# Altium PCB 智能马桶综合检测台V1.0.PcbDoc (part 9 of 10)
Units mil, origin at the board's own origin, x right, y up, seen from the top; angles counter-clockwise.
Board outline 8070.87 x 6102.36 mil, 2 copper layers (Top Layer, Bottom Layer); 199 components, 169 nets, 738 pads, 77 vias.
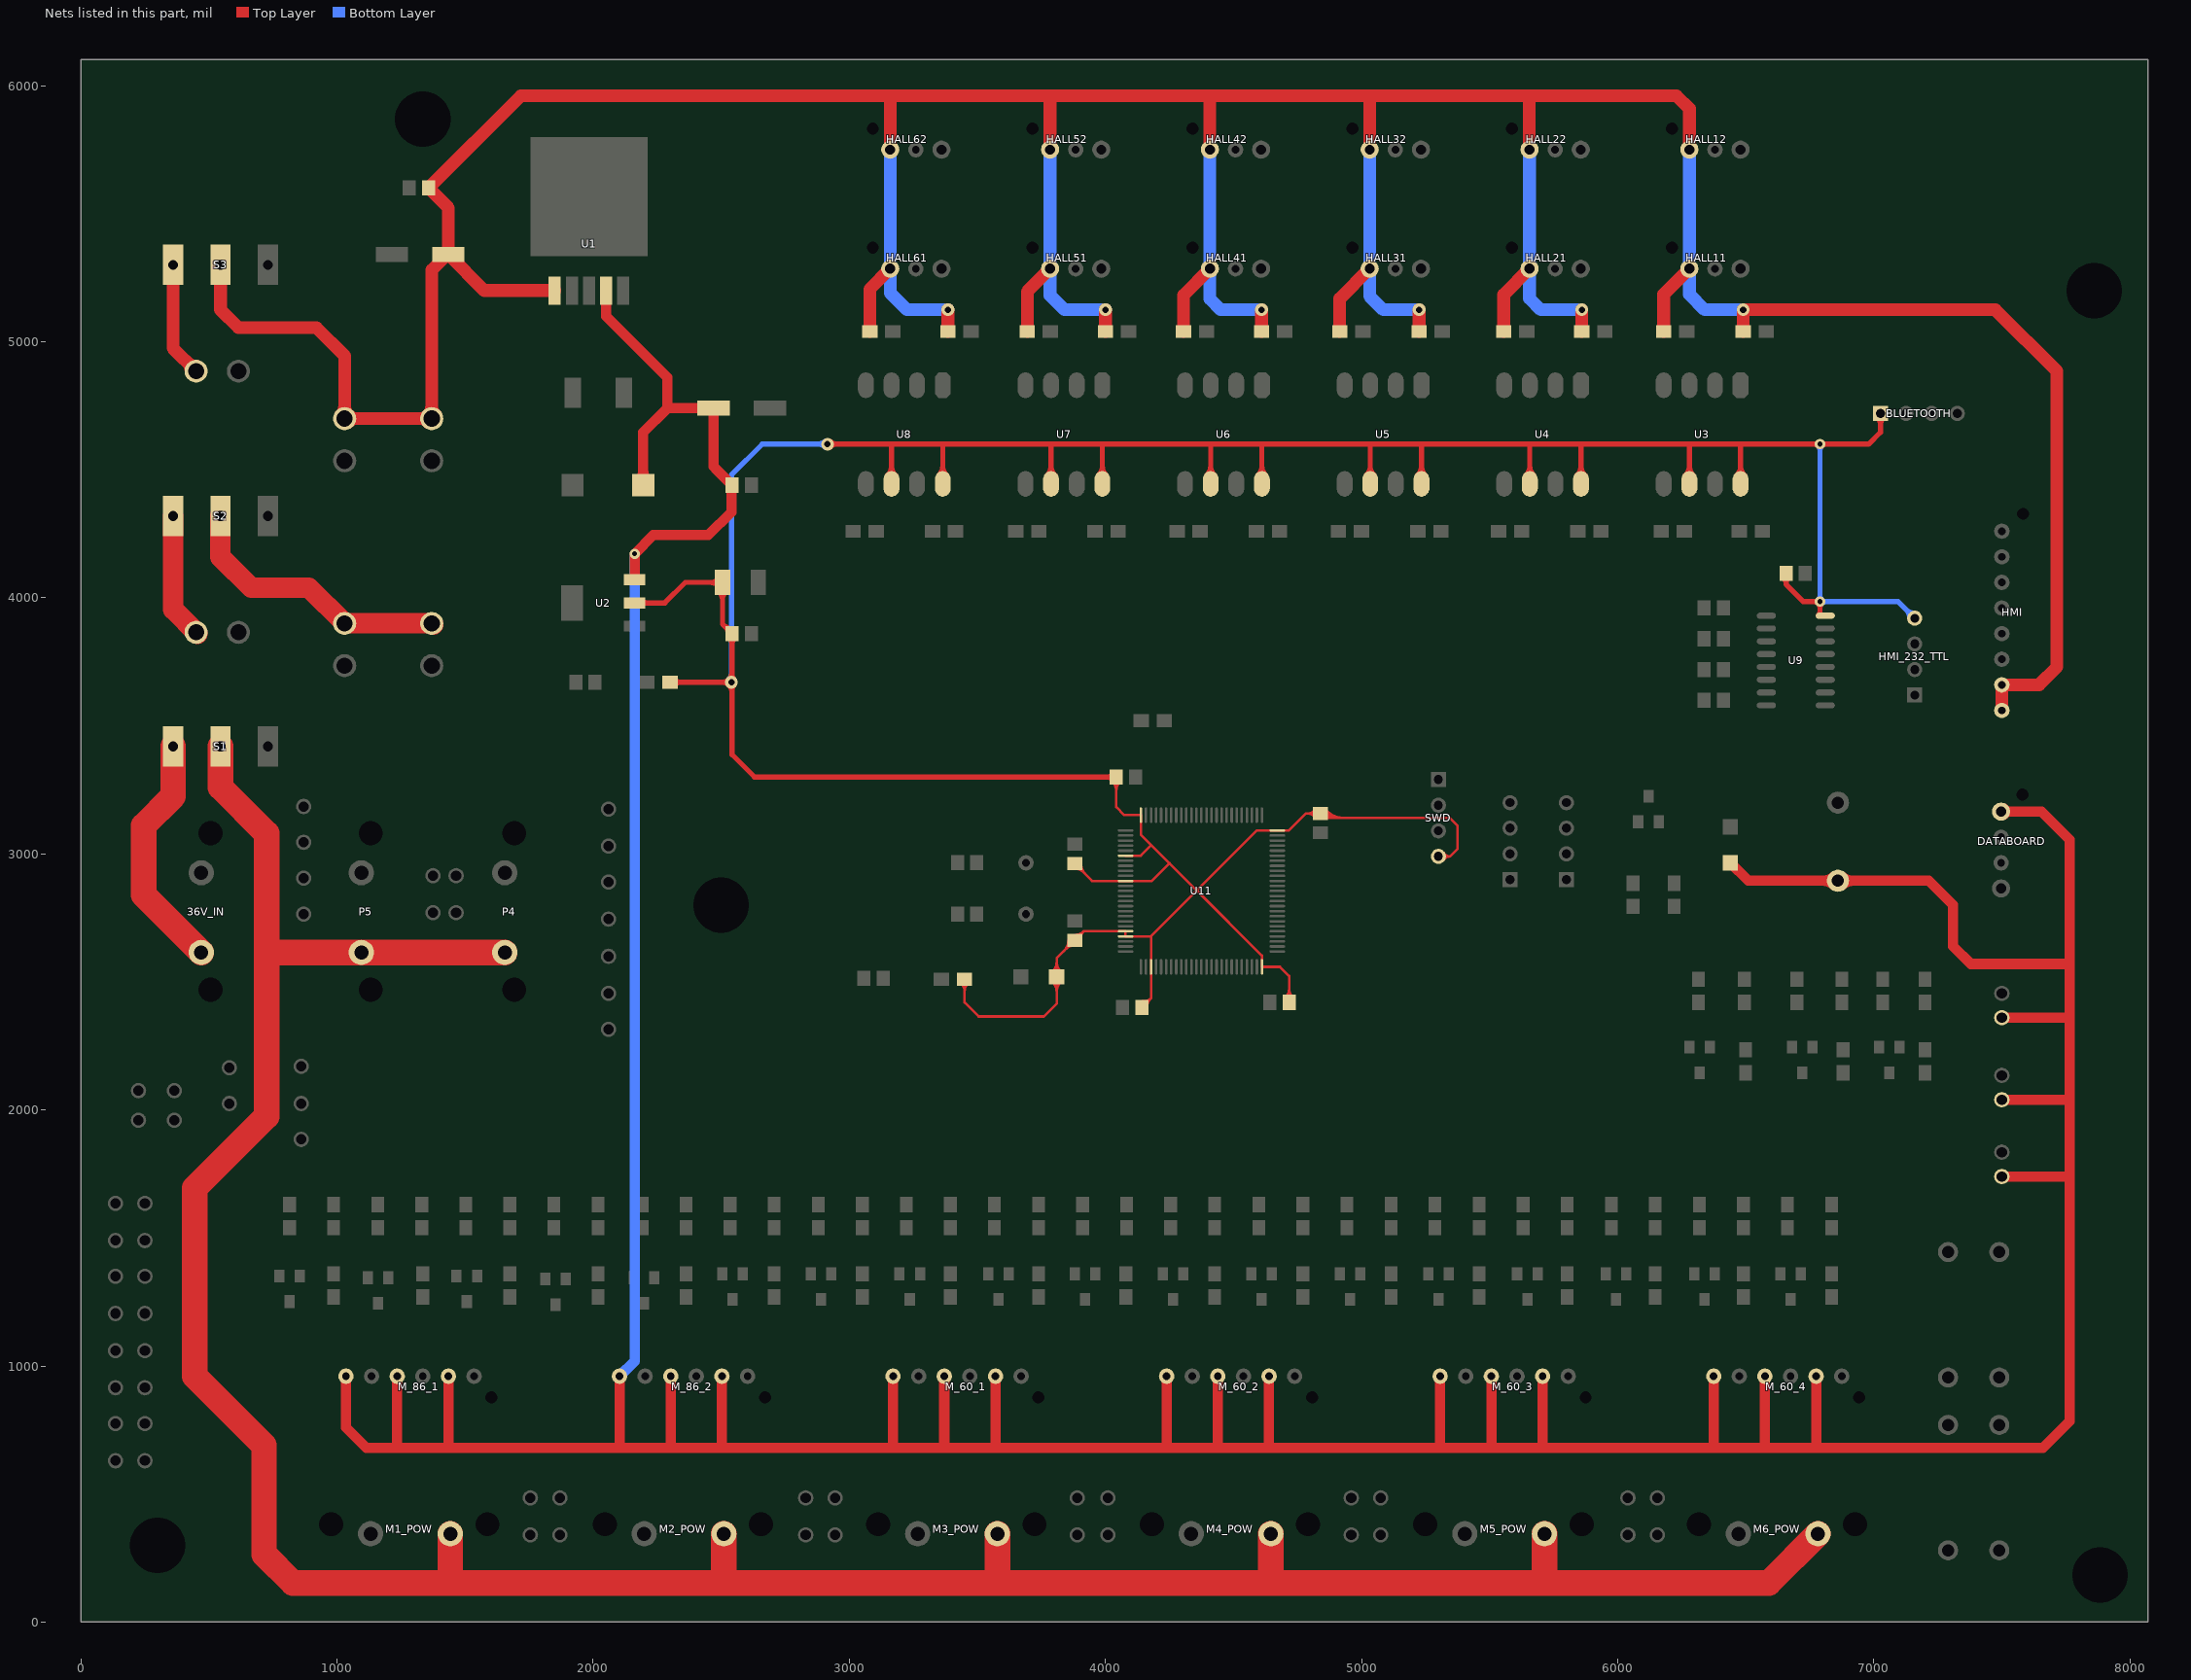
[diagram p9: the nets of this part, all layers, seen from the top]

## Via types
v1: diameter 40, hole 20, Top Layer to Bottom Layer, 68 vias
v2: diameter 50, hole 25, Top Layer to Bottom Layer, 9 vias

## Nets (pads, with @x,y where several pads share a name; then routed paths per layer and width w, separated by ;. In a path a pad name is that pad's centre, name@x,y a point inside that pad or via, vN(x,y) a via of type N, cw(c..) or ccw(c..) an arc to the next point about the centre after c; other vN are vias at no path point) (continued)
VCC3V3: BLUETOOTH.1 C4.1 C5.2 C9.2 C20.2 C21.1 C22.1 C23.1 C24.1 C25.1 C26.1 HMI_232_TTL.4 R1.2 R92.2 SWD.4 U2.2 U3.6 U3.8 U4.6 U4.8 U5.6 U5.8 U6.6 U6.8 U7.6 U7.8 U8.6 U8.8 U9.16 U11.6 U11.11 U11.21 U11.22 U11.28 U11.50 U11.75 U11.100 | length 36230.3
  Top Layer w10: R92.2@3450,2510 3450,2420 3505,2365 3760,2365 3810,2415 3810,2592.6 3914.92,2697.52 ; C26.1@3880,2962.6 3948.23,2894.37 4180.68,2894.37 4250.05,2963.73 ; C24.1@4042.6,3300 4042.6,3182.4 4073.74,3151.26 U11.100@4138.78,3151.26 4138.78,3075 4350.98,2862.8 ; U11.6@4078.74,2992.8 4137.82,2992.8 4179.4,3034.38 ; C25.1@4142.4,2400 4178.15,2435.75 ; 4357.2,2856.57 4611.22,2602.56 U11.50@4611.22,2558.74 4681.26,2558.74 4717.4,2522.6 C22.1@4717.4,2420 ; SWD.4@5300,2990 5345,2990 ; R92.2@3435.86,2495.86 cw(c3401.72,2461.72) 3450,2461.72 ; R92.2@3435.86,2495.86 cw(c3401.72,2461.72) 3450,2461.72 ; R92.2@3435.86,2495.86 cw(c3401.72,2461.72) 3450,2461.72 ; 3450,2461.72 cw(c3498.28,2461.72) R92.2@3464.14,2495.86 ; 3450,2461.72 cw(c3498.28,2461.72) R92.2@3464.14,2495.86 ; 3450,2461.72 cw(c3498.28,2461.72) R92.2@3464.14,2495.86 ; C21.1@3792.32,2502.32 cw(c3749.64,2459.64) 3810,2459.64 ; C21.1@3792.32,2502.32 cw(c3749.64,2459.64) 3810,2459.64 ; C21.1@3792.32,2502.32 cw(c3749.64,2459.64) 3810,2459.64 ; C21.1@3792.32,2502.32 cw(c3749.64,2459.64) 3810,2459.64 ; C21.1@3792.32,2537.68 ccw(c3749.64,2580.36) 3810,2580.36 ; C21.1@3792.32,2537.68 ccw(c3749.64,2580.36) 3810,2580.36 ; C21.1@3792.32,2537.68 ccw(c3749.64,2580.36) 3810,2580.36 ; C21.1@3792.32,2537.68 ccw(c3749.64,2580.36) 3810,2580.36 ; C21.1@3792.32,2537.68 ccw(c3749.64,2580.36) 3810,2580.36 ; C21.1@3792.32,2537.68 ccw(c3749.64,2580.36) 3810,2580.36 ; C21.1@3799.39,2509.39 cw(c3773.79,2483.79) 3810,2483.79 ; C21.1@3799.39,2509.39 cw(c3773.79,2483.79) 3810,2483.79 ; C21.1@3799.39,2509.39 cw(c3773.79,2483.79) 3810,2483.79 ; C21.1@3799.39,2509.39 cw(c3773.79,2483.79) 3810,2483.79 ; C21.1@3799.39,2530.61 ccw(c3773.79,2556.21) 3810,2556.21 ; C21.1@3799.39,2530.61 ccw(c3773.79,2556.21) 3810,2556.21 ; C21.1@3799.39,2530.61 ccw(c3773.79,2556.21) 3810,2556.21 ; C21.1@3799.39,2530.61 ccw(c3773.79,2556.21) 3810,2556.21 ; C21.1@3799.39,2530.61 ccw(c3773.79,2556.21) 3810,2556.21 ; C21.1@3799.39,2530.61 ccw(c3773.79,2556.21) 3810,2556.21 ; 3810,2459.64 cw(c3870.36,2459.64) C21.1@3827.68,2502.32 ; 3810,2459.64 cw(c3870.36,2459.64) C21.1@3827.68,2502.32 ; 3810,2459.64 cw(c3870.36,2459.64) C21.1@3827.68,2502.32 ; 3810,2459.64 cw(c3870.36,2459.64) C21.1@3827.68,2502.32 ; 3810,2483.79 cw(c3846.21,2483.79) C21.1@3820.61,2509.39 ; 3810,2483.79 cw(c3846.21,2483.79) C21.1@3820.61,2509.39 ; 3810,2483.79 cw(c3846.21,2483.79) C21.1@3820.61,2509.39 ; 3810,2483.79 cw(c3846.21,2483.79) C21.1@3820.61,2509.39 ; 3810,2556.21 ccw(c3846.21,2556.21) C21.1@3820.61,2530.61 ; 3810,2556.21 ccw(c3846.21,2556.21) C21.1@3820.61,2530.61 ; 3810,2556.21 ccw(c3846.21,2556.21) C21.1@3820.61,2530.61 ; 3810,2556.21 ccw(c3846.21,2556.21) C21.1@3820.61,2530.61 ; 3810,2556.21 ccw(c3846.21,2556.21) C21.1@3820.61,2530.61 ; 3810,2556.21 ccw(c3846.21,2556.21) C21.1@3820.61,2530.61 ; 3810,2580.36 ccw(c3870.36,2580.36) C21.1@3827.68,2537.68 ; 3810,2580.36 ccw(c3870.36,2580.36) C21.1@3827.68,2537.68 ; 3810,2580.36 ccw(c3870.36,2580.36) C21.1@3827.68,2537.68 ; 3810,2580.36 ccw(c3870.36,2580.36) C21.1@3827.68,2537.68 ; 3810,2580.36 ccw(c3870.36,2580.36) C21.1@3827.68,2537.68 ; 3810,2580.36 ccw(c3870.36,2580.36) C21.1@3827.68,2537.68 ; 3838.13,2620.73 ccw(c3796.26,2662.6) C20.2@3855.47,2662.6 ; 3838.13,2620.73 ccw(c3796.26,2662.6) C20.2@3855.47,2662.6 ; 3838.13,2620.73 ccw(c3796.26,2662.6) C20.2@3855.47,2662.6 ; 3838.13,2620.73 ccw(c3796.26,2662.6) C20.2@3855.47,2662.6 ; 3838.13,2620.73 ccw(c3796.26,2662.6) C20.2@3855.47,2662.6 ; 3838.13,2620.73 ccw(c3796.26,2662.6) C20.2@3855.47,2662.6 ; 3847.63,2630.23 cw(c3876.06,2601.8) C20.2@3876.06,2642.01 ; 3847.63,2630.23 cw(c3876.06,2601.8) C20.2@3876.06,2642.01 ; 3847.63,2630.23 cw(c3876.06,2601.8) C20.2@3876.06,2642.01 ; 3847.63,2630.23 cw(c3876.06,2601.8) C20.2@3876.06,2642.01 ; 3847.63,2630.23 cw(c3876.06,2601.8) C20.2@3876.06,2642.01 ; 3847.63,2630.23 cw(c3876.06,2601.8) C20.2@3876.06,2642.01 ; C20.2@3855.2,2637.8 ccw(c3830.4,2662.6) C20.2@3865.47,2662.6 ; C20.2@3855.2,2637.8 ccw(c3830.4,2662.6) C20.2@3865.47,2662.6 ; C20.2@3855.2,2637.8 ccw(c3830.4,2662.6) C20.2@3865.47,2662.6 ; C20.2@3855.2,2637.8 ccw(c3830.4,2662.6) C20.2@3865.47,2662.6 ; C20.2@3855.2,2637.8 ccw(c3830.4,2662.6) C20.2@3865.47,2662.6 ; C20.2@3855.2,2637.8 ccw(c3830.4,2662.6) C20.2@3865.47,2662.6 ; C20.2@3883.94,2683.19 ccw(c3883.94,2723.39) 3912.37,2694.96 ; C20.2@3883.94,2683.19 ccw(c3883.94,2723.39) 3912.37,2694.96 ; C20.2@3883.94,2683.19 ccw(c3883.94,2723.39) 3912.37,2694.96 ; C20.2@3883.94,2683.19 ccw(c3883.94,2723.39) 3912.37,2694.96 ; C26.1@3883.94,2942.01 cw(c3883.94,2901.8) 3912.37,2930.23 ; C26.1@3883.94,2942.01 cw(c3883.94,2901.8) 3912.37,2930.23 ; C26.1@3883.94,2942.01 cw(c3883.94,2901.8) 3912.37,2930.23 ; C26.1@3883.94,2942.01 cw(c3883.94,2901.8) 3912.37,2930.23 ; C26.1@3883.94,2942.01 cw(c3883.94,2901.8) 3912.37,2930.23 ; C26.1@3883.94,2942.01 cw(c3883.94,2901.8) 3912.37,2930.23 ; C20.2@3894.42,2664.12 cw(c3916.86,2667.39) C20.2@3900.82,2683.42 ; C20.2@3894.42,2664.12 cw(c3916.86,2667.39) C20.2@3900.82,2683.42 ; C20.2@3894.42,2664.12 cw(c3916.86,2667.39) C20.2@3900.82,2683.42 ; C20.2@3894.42,2664.12 cw(c3916.86,2667.39) C20.2@3900.82,2683.42 ; C26.1@3894.53,2962.6 ccw(c3929.6,2962.6) C26.1@3904.8,2937.8 ; C26.1@3894.53,2962.6 ccw(c3929.6,2962.6) C26.1@3904.8,2937.8 ; C26.1@3894.53,2962.6 ccw(c3929.6,2962.6) C26.1@3904.8,2937.8 ; C26.1@3894.53,2962.6 ccw(c3929.6,2962.6) C26.1@3904.8,2937.8 ; C26.1@3894.53,2962.6 ccw(c3929.6,2962.6) C26.1@3904.8,2937.8 ; C26.1@3894.53,2962.6 ccw(c3929.6,2962.6) C26.1@3904.8,2937.8 ; C20.2@3904.31,2665.56 cw(c3941.47,2670.97) 3914.92,2697.52 ; C20.2@3904.31,2665.56 cw(c3941.47,2670.97) 3914.92,2697.52 ; C20.2@3904.31,2665.56 cw(c3941.47,2670.97) 3914.92,2697.52 ; C20.2@3904.31,2665.56 cw(c3941.47,2670.97) 3914.92,2697.52 ; C26.1@3904.53,2962.6 ccw(c3963.74,2962.6) 3921.87,2920.73 ; C26.1@3904.53,2962.6 ccw(c3963.74,2962.6) 3921.87,2920.73 ; C26.1@3904.53,2962.6 ccw(c3963.74,2962.6) 3921.87,2920.73 ; C26.1@3904.53,2962.6 ccw(c3963.74,2962.6) 3921.87,2920.73 ; C26.1@3904.53,2962.6 ccw(c3963.74,2962.6) 3921.87,2920.73 ; C26.1@3904.53,2962.6 ccw(c3963.74,2962.6) 3921.87,2920.73 ; 3914.92,2697.52 U11.21@4078.74,2697.52 U11.22@4078.74,2677.83 4177.83,2677.83 4178.15,2677.52 ; C24.1@4028.04,3281.5 cw(c3992.89,3246.35) 4042.6,3246.35 ; C24.1@4028.04,3281.5 cw(c3992.89,3246.35) 4042.6,3246.35 ; C24.1@4028.04,3281.5 cw(c3992.89,3246.35) 4042.6,3246.35 ; C24.1@4028.04,3281.5 cw(c3992.89,3246.35) 4042.6,3246.35 ; C24.1@4028.04,3281.5 cw(c3992.89,3246.35) 4042.6,3246.35 ; C24.1@4028.04,3281.5 cw(c3992.89,3246.35) 4042.6,3246.35 ; 4042.6,3246.35 cw(c4092.31,3246.35) C24.1@4057.16,3281.5 ; 4042.6,3246.35 cw(c4092.31,3246.35) C24.1@4057.16,3281.5 ; 4042.6,3246.35 cw(c4092.31,3246.35) C24.1@4057.16,3281.5 ; 4042.6,3246.35 cw(c4092.31,3246.35) C24.1@4057.16,3281.5 ; 4042.6,3246.35 cw(c4092.31,3246.35) C24.1@4057.16,3281.5 ; 4042.6,3246.35 cw(c4092.31,3246.35) C24.1@4057.16,3281.5 ; C25.1@4143.72,2414.45 ccw(c4146.71,2438.28) C25.1@4163.7,2421.3 ; C25.1@4143.72,2414.45 ccw(c4146.71,2438.28) C25.1@4163.7,2421.3 ; C25.1@4143.72,2414.45 ccw(c4146.71,2438.28) C25.1@4163.7,2421.3 ; C25.1@4143.72,2414.45 ccw(c4146.71,2438.28) C25.1@4163.7,2421.3 ; C25.1@4144.96,2424.37 ccw(c4149.93,2463.97) 4178.15,2435.75 ; C25.1@4144.96,2424.37 ccw(c4149.93,2463.97) 4178.15,2435.75 ; C25.1@4144.96,2424.37 ccw(c4149.93,2463.97) 4178.15,2435.75 ; C25.1@4144.96,2424.37 ccw(c4149.93,2463.97) 4178.15,2435.75 ; C25.1@4162.99,2403.94 cw(c4203.2,2403.94) 4174.77,2432.37 ; C25.1@4162.99,2403.94 cw(c4203.2,2403.94) 4174.77,2432.37 ; C25.1@4162.99,2403.94 cw(c4203.2,2403.94) 4174.77,2432.37 ; C25.1@4162.99,2403.94 cw(c4203.2,2403.94) 4174.77,2432.37 ; 4178.15,2435.75 4178.15,2677.52 ; 4178.15,2677.52 4591.85,3091.22 4716.22,3091.22 4782.4,3157.4 C23.1@4840,3157.4 4857.4,3140 5345,3140 5375,3110 5375,3020 5345,2990 ; C22.1@4702.84,2438.5 ccw(c4667.69,2473.65) 4717.4,2473.65 ; C22.1@4702.84,2438.5 ccw(c4667.69,2473.65) 4717.4,2473.65 ; C22.1@4702.84,2438.5 ccw(c4667.69,2473.65) 4717.4,2473.65 ; C22.1@4702.84,2438.5 ccw(c4667.69,2473.65) 4717.4,2473.65 ; C22.1@4702.84,2438.5 ccw(c4667.69,2473.65) 4717.4,2473.65 ; C22.1@4702.84,2438.5 ccw(c4667.69,2473.65) 4717.4,2473.65 ; 4717.4,2473.65 ccw(c4767.11,2473.65) C22.1@4731.96,2438.5 ; 4717.4,2473.65 ccw(c4767.11,2473.65) C22.1@4731.96,2438.5 ; 4717.4,2473.65 ccw(c4767.11,2473.65) C22.1@4731.96,2438.5 ; 4717.4,2473.65 ccw(c4767.11,2473.65) C22.1@4731.96,2438.5 ; 4717.4,2473.65 ccw(c4767.11,2473.65) C22.1@4731.96,2438.5 ; 4717.4,2473.65 ccw(c4767.11,2473.65) C22.1@4731.96,2438.5 ; 4786.35,3157.4 cw(c4786.35,3107.69) C23.1@4821.5,3142.84 ; 4786.35,3157.4 ccw(c4786.35,3207.11) C23.1@4821.5,3171.96 ; 4786.35,3157.4 cw(c4786.35,3107.69) C23.1@4821.5,3142.84 ; 4786.35,3157.4 ccw(c4786.35,3207.11) C23.1@4821.5,3171.96 ; 4786.35,3157.4 cw(c4786.35,3107.69) C23.1@4821.5,3142.84 ; 4786.35,3157.4 ccw(c4786.35,3207.11) C23.1@4821.5,3171.96 ; 4786.35,3157.4 cw(c4786.35,3107.69) C23.1@4821.5,3142.84 ; 4786.35,3157.4 ccw(c4786.35,3207.11) C23.1@4821.5,3171.96 ; 4786.35,3157.4 cw(c4786.35,3107.69) C23.1@4821.5,3142.84 ; 4786.35,3157.4 ccw(c4786.35,3207.11) C23.1@4821.5,3171.96 ; 4786.35,3157.4 ccw(c4786.35,3207.11) C23.1@4821.5,3171.96 ; 4786.35,3157.4 cw(c4786.35,3107.69) C23.1@4821.5,3142.84 ; C23.1@4837.28,3150.75 ccw(c4863.23,3176.7) C23.1@4863.23,3140 ; C23.1@4837.28,3150.75 ccw(c4863.23,3176.7) C23.1@4863.23,3140 ; C23.1@4837.28,3150.75 ccw(c4863.23,3176.7) C23.1@4863.23,3140 ; C23.1@4837.28,3150.75 ccw(c4863.23,3176.7) C23.1@4863.23,3140 ; C23.1@4837.28,3150.75 ccw(c4863.23,3176.7) C23.1@4863.23,3140 ; C23.1@4837.28,3150.75 ccw(c4863.23,3176.7) C23.1@4863.23,3140 ; C23.1@4844.35,3157.82 ccw(c4887.37,3200.84) 4887.37,3140 ; C23.1@4844.35,3157.82 ccw(c4887.37,3200.84) 4887.37,3140 ; C23.1@4844.35,3157.82 ccw(c4887.37,3200.84) 4887.37,3140 ; C23.1@4844.35,3157.82 ccw(c4887.37,3200.84) 4887.37,3140 ; C23.1@4844.35,3157.82 ccw(c4887.37,3200.84) 4887.37,3140 ; C23.1@4844.35,3157.82 ccw(c4887.37,3200.84) 4887.37,3140 ; C23.1@4851.43,3164.89 ccw(c4911.52,3224.98) 4911.52,3140 ; C23.1@4851.43,3164.89 ccw(c4911.52,3224.98) 4911.52,3140 ; C23.1@4851.43,3164.89 ccw(c4911.52,3224.98) 4911.52,3140 ; C23.1@4851.43,3164.89 ccw(c4911.52,3224.98) 4911.52,3140 ; C23.1@4851.43,3164.89 ccw(c4911.52,3224.98) 4911.52,3140 ; C23.1@4851.43,3164.89 ccw(c4911.52,3224.98) 4911.52,3140 ; C23.1@4858.5,3171.96 ccw(c4935.66,3249.12) 4935.66,3140 ; C23.1@4858.5,3171.96 ccw(c4935.66,3249.12) 4935.66,3140 ; C23.1@4858.5,3171.96 ccw(c4935.66,3249.12) 4935.66,3140 ; C23.1@4858.5,3171.96 ccw(c4935.66,3249.12) 4935.66,3140 ; C23.1@4858.5,3171.96 ccw(c4935.66,3249.12) 4935.66,3140 ; C23.1@4858.5,3171.96 ccw(c4935.66,3249.12) 4935.66,3140 ; SWD.4@5320.61,2976.71 cw(c5345,2960.99) 5345,2990 ; SWD.4@5320.61,2976.71 cw(c5345,2960.99) 5345,2990 ; SWD.4@5320.61,2976.71 cw(c5345,2960.99) 5345,2990 ; SWD.4@5320.61,2976.71 cw(c5345,2960.99) 5345,2990 ; SWD.4@5320.61,2976.71 cw(c5345,2960.99) 5345,2990 ; SWD.4@5320.61,2976.71 cw(c5345,2960.99) 5345,2990 ; SWD.4@5320.61,3003.29 ccw(c5345,3019.01) 5345,2990 ; SWD.4@5320.61,3003.29 ccw(c5345,3019.01) 5345,2990 ; SWD.4@5320.61,3003.29 ccw(c5345,3019.01) 5345,2990 ; SWD.4@5320.61,3003.29 ccw(c5345,3019.01) 5345,2990 ; SWD.4@5320.61,3003.29 ccw(c5345,3019.01) 5345,2990 ; SWD.4@5320.61,3003.29 ccw(c5345,3019.01) 5345,2990